# Allegro board BeagleBone_Green_v1.brd (continued)
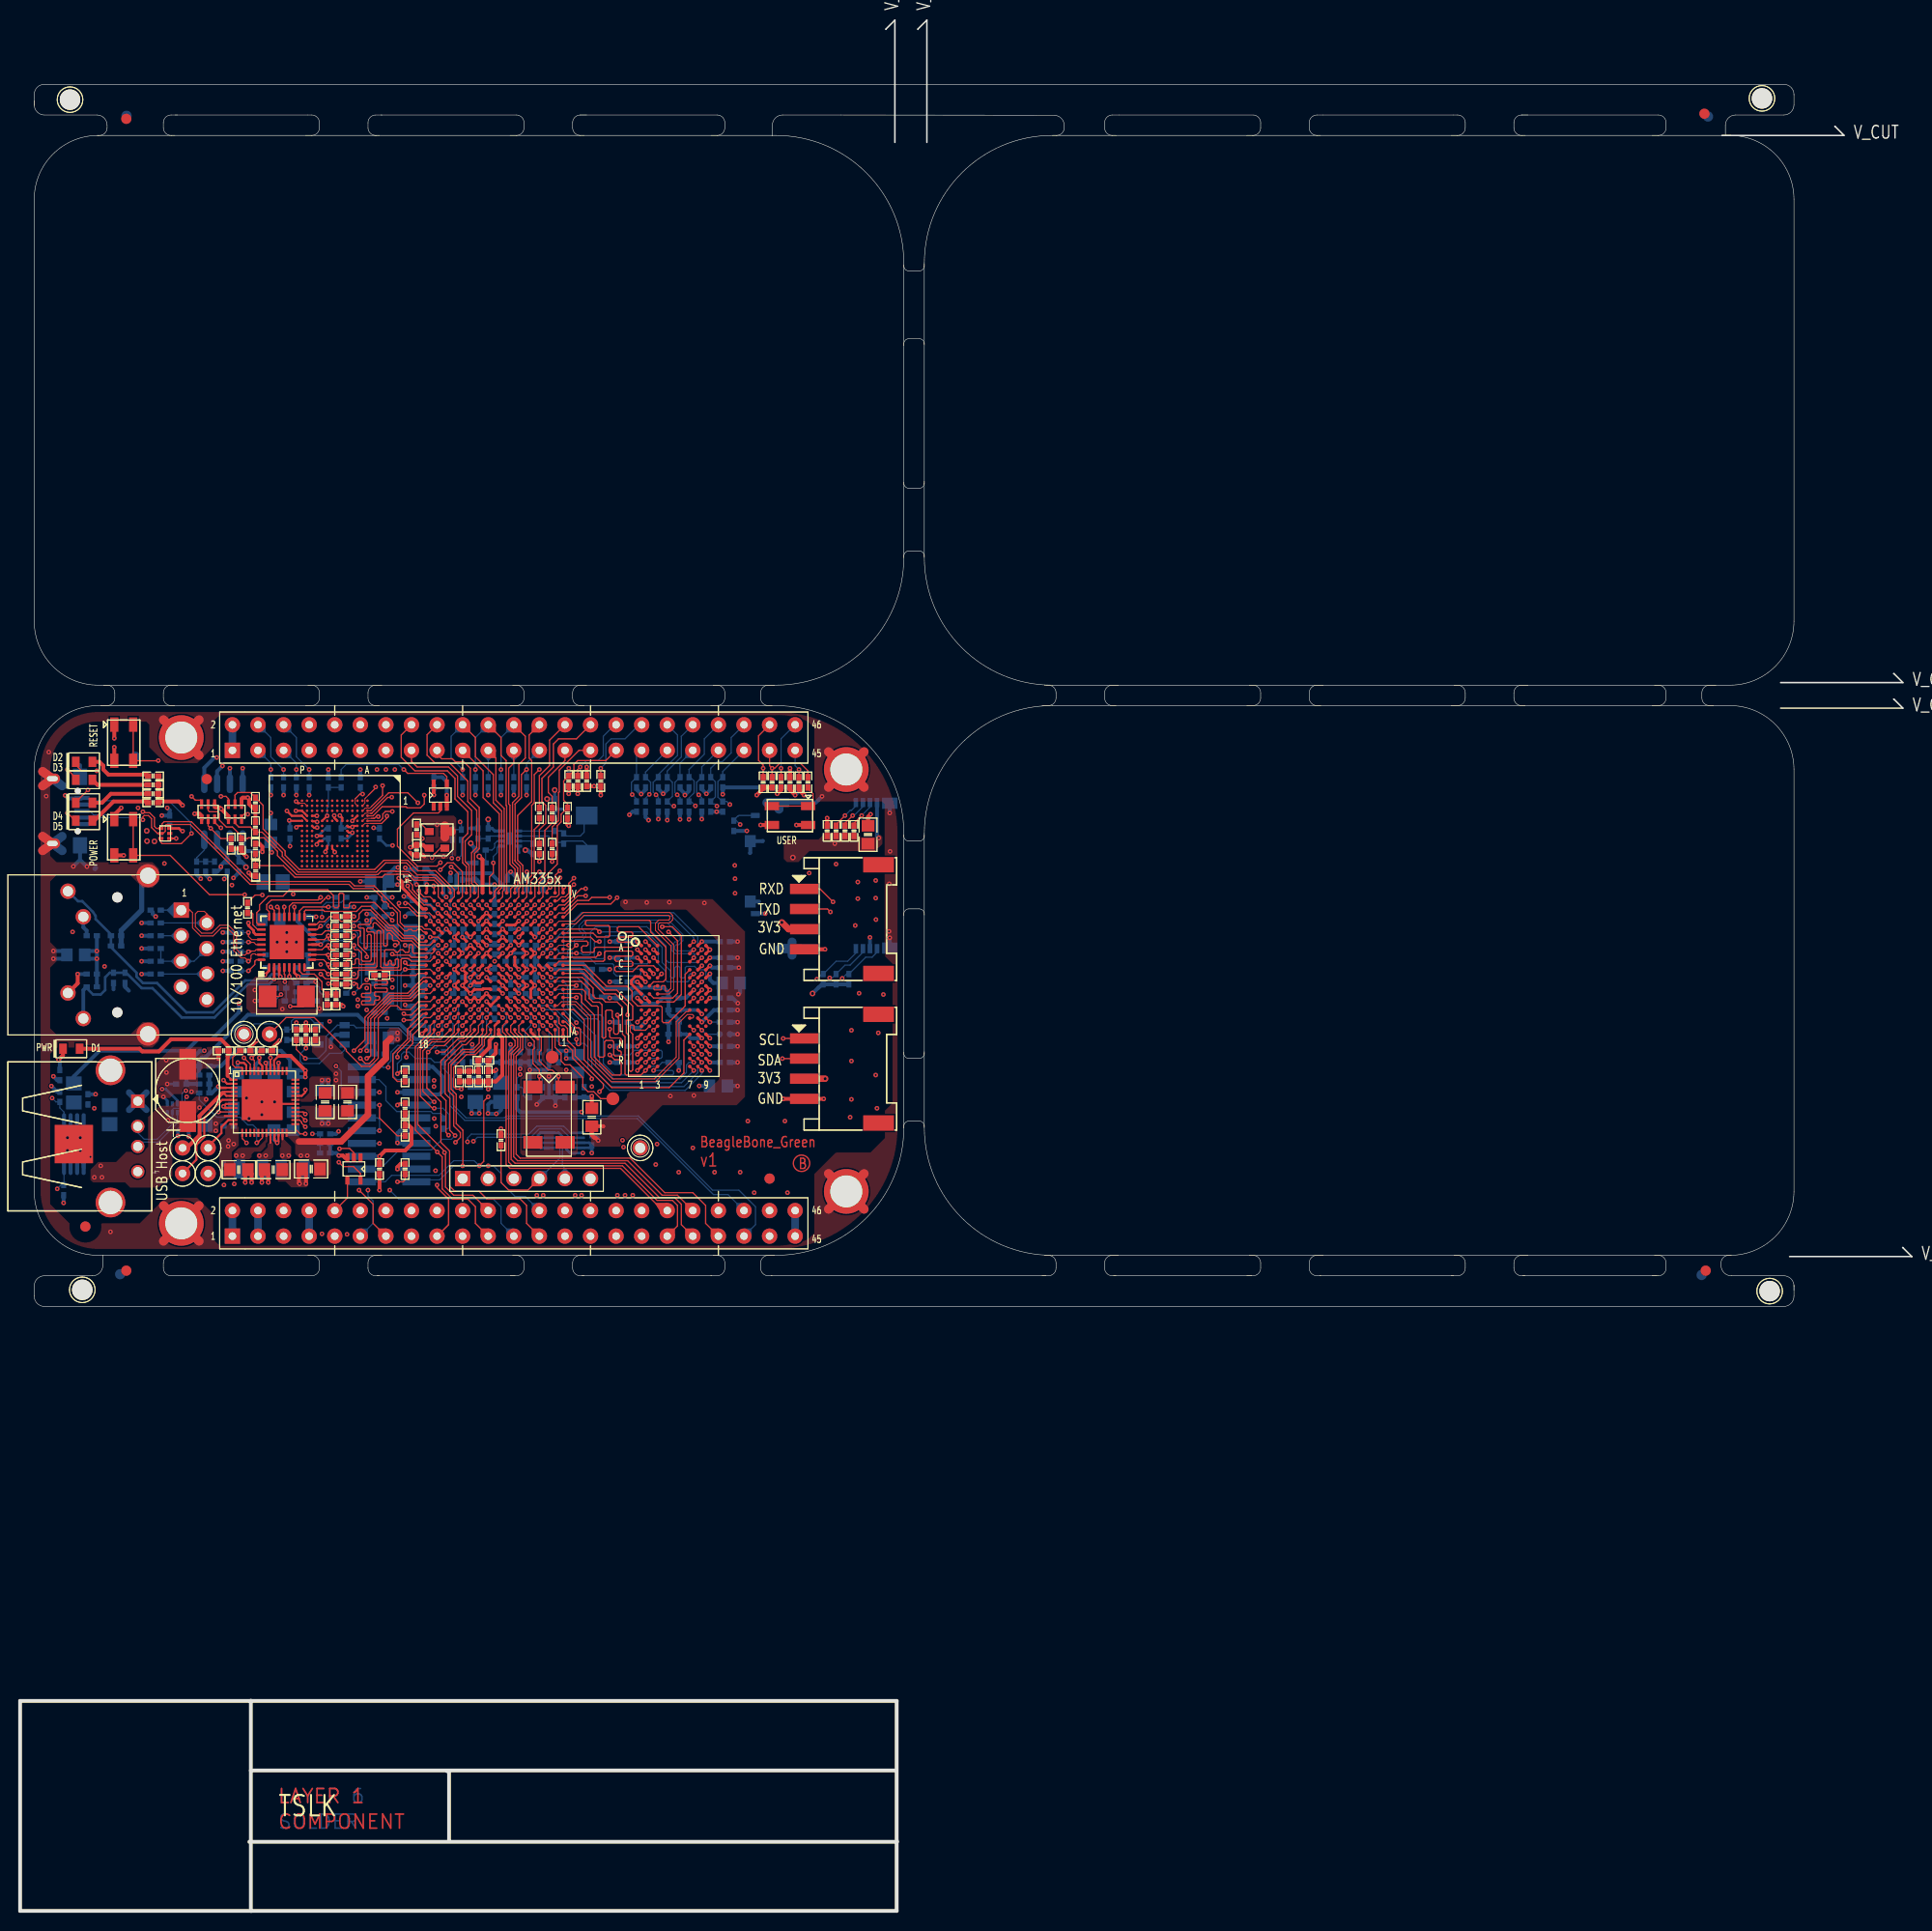
[diagram p0: board, top side]
## Routing (per net, layer and track width the routed paths; a pad name or vN(x,y) marks a point on that pad's centre or on a via; arc(x,y) is an arc through that point) (continued)
TIMER6: length 36.6
  TOP w0.121: v1(51.56,113.39) 51.05,112.88 51.05,110.08 50.8,109.83 50.8,102.84 50.32,102.36 50.32,100.74 U5.U6
  LYR4 w0.133: v1(51.56,113.39) 50.29,114.66 50.29,115.93 49.53,116.69 32.38,116.69 P8.10
TIMER7: length 34.1
  TOP w0.121: v1(49.52,99.94) U5.T7
  LYR3 w0.133: v1(49.52,99.94) 49.52,104.28 47.37,106.43 47.37,109.19 45.67,110.9 45.67,111.15 44.36,112.46 37.25,112.46 v1(36.32,113.39)
  LYR4 w0.133: P8.8 29.97,116.56 29.97,114.91 30.99,113.89 35.81,113.89 v1(36.32,113.39)
TXCLK: length 6.1
  TOP w0.121: U14.20 26.73,99.8 27.06,100.13 29.85,100.13 30,100.29 30.01,100.29 30.24,100.52 30.24,100.53 30.4,100.69 v1(30.61,100.69)
  BOTTOM w0.121: R134.2 v1(30.61,100.69)
TXN: length 20.3
  TOP w0.095: U14.28 22.99,96.49 22.67,96.81 v1(22.67,97.19)
  LYR3 w0.102: P5.6 18.54,94.21 18.29,94.47 17.55,94.47 17.3,94.21 17.3,92.79 18.11,91.97 19.61,91.97 21.21,93.57 21.21,95.21 22.28,96.28 22.28,96.8 v1(22.67,97.19)
  BOTTOM w0.095: R123.1 v1(22.67,97.19)
  BOTTOM w0.121: P5.6 C140.1
TXP: length 17.8
  TOP w0.095: v1(22.67,96.24) 22.67,96.22 22.68,96.21 23.21,96.21 23.43,95.99 U14.29
  LYR3 w0.102: P5.3 16.99,95.89 16.99,92.66 17.98,91.67 19.74,91.67 21.51,93.45 21.51,95.08 v1(22.67,96.24)
  BOTTOM w0.095: R122.1 v1(22.67,96.24)
  BOTTOM w0.121: C139.1 P5.3
U5_H18: length 4.2
  TOP w0.121: U5.H18 39.5,93.14 39.3,92.94 R28.1
U5_R13: length 8.5
  TOP w0.121: v1(43.92,99.14) U5.R13
  LYR3 w0.121: 44.11,101.79 44.32,101.58 44.32,99.54 v1(43.92,99.14)
  LYR3 w0.133: v1(43.49,104.52) 43.66,104.35 43.66,102.24 44.11,101.79
  BOTTOM w0.133: v1(43.49,104.52) 43.81,104.85 R160.1
U5_T13: length 7.5
  TOP w0.121: v1(43.92,99.94) U5.T13
  LYR3 w0.133: v1(42.88,104.57) 42.89,104.56 42.89,104.43 43.4,103.92 43.4,101.89 43.92,101.37 v1(43.92,99.94)
  BOTTOM w0.133: R161.1 42.93,104.62 v1(42.88,104.57)
UART0_RX: length 28.4
  TOP w0.121: v1(42.32,90.34) U5.E15
  LYR4 w0.133: v1(42.32,90.34) 41.9,89.92 41.36,89.92 40.85,89.4 40.85,86.84 42.09,85.6 42.09,80.49 42.8,79.78 42.8,78.66 v1(45.01,76.45)
  BOTTOM w0.121: v1(45.01,76.45) 45.4,76.85 50.71,76.85 51.56,77.7 53.72,77.7 54.62,76.8 U15.6
UART0_TX: length 28.7
  TOP w0.121: v1(41.52,90.34) U5.E16
  LYR4 w0.133: v1(41.52,90.34) 41.41,90.34 40.59,89.51 40.59,86.72 41.81,85.5 41.81,80.14 42.56,79.38 42.56,78.26 v1(44.42,76.4)
  BOTTOM w0.121: v1(44.42,76.4) 44.42,76.78 44.81,77.17 50.52,77.17 51.31,77.95 53.98,77.95 54.62,77.3 U15.5
UART1_RXD: length 25.6
  TOP w0.121: v1(41.53,89.51) 41.53,89.55 U5.D16
  LYR4 w0.121: v1(41.53,89.51) 41.92,89.12 41.92,86.96 42.11,86.77
  LYR4 w0.133: 42.11,86.77 42.9,85.98 42.9,80.75 43.61,80.04 43.61,79.17 45.97,76.81 45.97,74.52 v1(46.48,74.02)
  BOTTOM w0.121: P9.26 50.16,70.97 49.15,70.97 47.75,72.36 47.75,73.25 46.99,74.02 v1(46.48,74.02)
UART1_TXD: length 23.3
  TOP w0.121: v1(42.32,89.54) U5.D15
  LYR4 w0.121: v1(42.32,89.54) 42.72,89.14 42.72,88.49
  LYR4 w0.133: 42.72,88.49 42.73,88.48 42.73,86.53 43.14,86.13 43.14,80.92 43.92,80.14 43.92,79.19 46.28,76.83 46.28,75.11 47.52,73.86 47.52,71.07 P9.24
UART2_RXD: length 83.9
  TOP w0.121: U5.A17 41.12,87.32 39.49,85.69 39.49,78.11 42.13,75.47 v1(42.13,75.34) 42.24,75.23 42.24,71.91 43.05,71.09 44.96,71.09 P9.22 ; v1(80.72,100.24) 79.44,101.53 J5.1
  LYR3 w0.133: v1(42.13,75.34) 42.41,75.61 47.68,75.61 48.46,74.83 56,74.83 56.34,75.17 56.34,75.43 56.65,75.74 57.19,75.74 59.04,77.6 69.8,77.6 82.28,90.08 82.28,98.69 v1(80.72,100.24)
UART2_TXD: length 85.8
  TOP w0.121: U5.B17 40.72,87.94 40.72,87.3 39.24,85.83 39.24,77.57 v1(41.43,75.39) 41.91,74.9 41.91,71.73 42.93,70.71 44.45,70.71 45.21,69.95 45.21,68.3 P9.21 ; v1(80.47,99.24) 80.18,99.53 J5.2
  LYR3 w0.133: v1(41.43,75.39) 41.88,75.84 47.9,75.84 48.68,75.07 55.08,75.07 57.84,77.83 69.7,77.83 82.04,90.17 82.04,97.66 v1(80.47,99.24)
UART4_RXD: length 41.6
  TOP w0.121: v1(38.48,101.83) 38.61,101.7 38.61,101.47 38.91,101.17 38.91,101.12 40.1,99.94 40.72,99.94 U5.T17
  LYR4 w0.133: v1(34.54,71.6) 34.54,81.51 35.69,82.65 35.69,88.24 35.94,88.49 35.94,100.43 36.77,101.26 37.86,101.26 38.43,101.83 v1(38.48,101.83)
  BOTTOM w0.121: v1(34.54,71.6) 34.54,71.03 35.05,70.52 35.05,68.3 P9.11
UART4_TXD: length 44.2
  TOP w0.121: P9.13 35.05,68.3 35.05,70.21 v1(33.66,71.6) ; v1(39.6,101.35) 39.6,101.34 39.75,101.19 39.75,101.07 40.08,100.74 40.71,100.74 U5.U17
  LYR4 w0.121: v1(39.6,101.35) 39.59,101.35
  LYR4 w0.133: v1(33.66,71.6) 33.66,81.64 35.18,83.16 35.18,88.49 35.43,88.75 35.43,101.06 37.58,103.2 38.28,103.2 38.89,102.59 38.89,101.78 39.32,101.35 39.59,101.35
USB0_DM: length 42.2
  TOP w0.114: v1(12.19,108.39) 12.19,108.39 12.19,108.68 12.32,108.81 12.74,108.81 13.06,108.49 13.06,107.62 13.64,107.04 U10.2 14.2,107.04 14.41,107.25 14.41,107.81 14.53,107.92 16.89,107.92 22.83,101.98 32.65,101.98 33.08,101.55 35.04,101.55 35.92,100.67 35.92,100.41 36.09,100.23 36.35,100.23 36.58,100.01 36.58,99.8 36.75,99.62 36.97,99.62 37.46,99.12 37.46,98.07 38.18,97.36 38.43,97.36 38.58,97.51 38.84,97.51 38.99,97.36 39.32,97.36 39.47,97.51 39.79,97.51 40.05,97.25 40.2,97.25 U5.N18
  BOTTOM w0.114: v1(12.19,108.39) 11.97,108.61 P4.2
USB0_DP: length 42.2
  TOP w0.114: v1(12.19,109.19) 12.29,109.09 12.85,109.09 13.34,108.61 13.34,107.74 13.54,107.54 U10.1 14.1,107.66 14.1,108 14.3,108.2 17.01,108.2 22.95,102.26 32.77,102.26 33.2,101.83 35.15,101.83 37.74,99.24 37.74,98.19 38.15,97.78 39.91,97.78 40.16,97.53 40.72,97.53 U5.N17
  BOTTOM w0.114: v1(12.19,109.19) 12.19,109.14 11.94,108.89 7.29,108.89 6.92,109.26 P4.3
USB0_ID: length 48.7
  TOP w0.121: U10.3 13.98,106.15 14.1,106.02 16,106.02 v1(17.02,107.04) ; U5.P16 v1(41.52,98.34)
  LYR3 w0.133: v1(41.52,98.34) 41.89,98.71 41.89,100.15 41.65,100.39 41.54,100.39 41.31,100.62 39.54,100.62 38.89,101.27 38.89,103.96 38.02,104.83 36.91,104.83 36.25,105.49 32.56,105.49 31.7,106.35 27.76,106.35 27.15,106.95 17.1,106.95 v1(17.02,107.04)
  BOTTOM w0.121: P4.4 6.89,109.91 7.26,110.29 14.76,110.29 16.94,108.1 16.94,107.11 v1(17.02,107.04)
USB1_DM: length 54.2
  TOP w0.114: v1(37.62,100.1) 37.54,100.02 37.54,99.86 37.73,99.67 38.57,99.67 39.38,98.86 40.2,98.86 U5.R18
  LYR3 w0.127: v1(37.62,100.1) 37.62,100.25 37.36,100.51 37.36,100.91 36.91,101.37 36.02,101.37 34.7,102.69 25.12,102.69 23.47,101.04 23.47,93.04 22.66,92.23 22.66,89.31 19.66,86.31 18.39,86.31 15.39,83.31 15.39,81.55 15.82,81.13 16.18,81.13 16.46,81.41 v1(16.46,81.48)
  BOTTOM w0.114: v1(16.46,81.48) 16.36,81.48 16.08,81.21 16.08,79.9 15.91,79.73 15.27,79.73 15.11,79.58 U9.2 15.11,78.88 15.33,78.66 15.33,78.39 13.6,76.66 12.32,76.66 11.68,77.3 P3.2
USB1_DP: length 54.3
  TOP w0.114: v1(38.25,100.1) 38.53,100.1 39.5,99.14 40.64,99.14 41.04,98.74 U5.R17
  LYR3 w0.127: v1(16.54,80.87) 15.64,80.87 15.09,81.43 15.09,83.44 18.26,86.61 19.53,86.61 22.35,89.43 22.35,92.35 23.16,93.17 23.16,101.17 24.99,103 34.82,103 36.14,101.68 37.03,101.68 37.67,101.04 37.67,100.63 37.92,100.38 38.07,100.23 38.13,100.23 v1(38.25,100.1)
  BOTTOM w0.114: v1(16.54,80.87) 16.36,80.7 16.36,79.78 16.03,79.45 15.7,79.45 15.61,79.36 U9.1 15.61,78.27 13.72,76.38 12.12,76.38 P3.3
USB1_DRVVBUS: length 62.3
  TOP w0.121: U5.F15 v1(42.32,91.14)
  LYR3 w0.133: v1(3.68,71.73) 4.06,72.11 12.83,72.11 14.93,74.21 23.3,74.21 23.62,73.89 30.28,73.89 30.87,73.29 37.63,73.29 37.68,73.34 41.06,73.34 v1(41.25,73.53)
  LYR4 w0.121: v1(42.32,91.14) 41.69,91.14 40.33,89.77
  LYR4 w0.133: v1(41.25,73.53) 40.89,73.89 40.89,76.43 41.99,77.52 41.99,79.37 41.53,79.83 41.53,83.92 40.92,84.53 40.92,85.85 40.33,86.44 40.33,89.77
  BOTTOM w0.121: U8.4 4.36,72.15 R53.1 4.06,72.11 v1(3.68,71.73)
USB1_ID: length 1.9
  TOP w0.121: U5.P17 40.77,98.29 v1(40.72,98.34)
  BOTTOM w0.121: v1(40.72,98.34) 40.72,98.83 40.45,99.1 R49.2
USB1_OCN: length 65.1
  TOP w0.121: v1(41.48,99.98) 41.5,99.96 41.5,99.95 U5.T16
  LYR3 w0.121: 41.17,100.33 39.34,100.33 37.97,101.7 37.97,102.46 38.01,102.49 38.01,102.94
  LYR3 w0.133: v1(41.48,99.98) 41.48,100.02 41.17,100.33 ; 38.01,102.94 37.72,103.23 36.6,103.23 35.78,104.05 23.2,104.05 23.11,104.14 18.36,104.14 18.28,104.05 v1(14.33,104.05)
  LYR4 w0.133: v1(3.17,80.75) 3.33,80.59 9.02,80.59 14.66,86.23 14.66,103.72 v1(14.33,104.05)
  BOTTOM w0.121: v1(3.17,80.75) 3.56,80.37 R52.2 3.94,79.77 4.36,79.35 U8.5
USB1_PWR: length 9.8
  LYR3 w0.381: v1(14.1,81.64) 10.67,81.64 8.76,79.73 v1(7.37,79.73)
  BOTTOM w0.254: U9.6 15.61,80.5 14.48,81.64 v1(14.1,81.64)
USB1_VBUS: length 55.1
  TOP w0.305: v1(37.59,102.59) 37.97,102.21 37.97,101.63 38.57,101.03 38.57,100.95 39.99,99.54 U5.T18
  LYR3 w0.381: v1(37.59,102.59) 37.52,102.67 36.55,102.67 35.56,103.66 24.69,103.66 22.94,101.9 v1(21.03,101.9)
  LYR4 w0.381: v1(21.72,90.14) 22.1,90.53 22.1,99.54 21.03,100.61 v1(21.03,101.9)
  BOTTOM w0.381: v1(21.72,90.14) 21.72,89.26 19.05,86.59 17.65,86.59 16.51,85.45 7.87,85.45 5.33,82.91 FB8.1
USB_DC: length 26.5
  TOP w0.254: U10.6 15.78,107.54 16.05,107.26 v1(16.13,107.26)
  LYR3 w0.381: v1(38.25,103.63) 38.25,103.78 37.64,104.39 36.7,104.39 36.12,104.98 32.49,104.98 31.72,105.74 30,105.74 29.68,105.41 28.01,105.41 27.03,106.4 16.89,106.4 16.13,107.16 v1(16.13,107.26)
  BOTTOM w0.381: v1(38.25,103.63) 38.4,103.48 R159.1
  vias: v1(20.7,76.53) v1(20.65,75.95) v1(21.21,76.17) v2(12.57,107.29) v2(12.6,106.27) v2(13.34,106.25)
USR0: length 25.9
  TOP w0.121: Q1.2 21.34,108.05 21.72,107.67 22.86,107.67 R76.1 24.03,107.16 26.04,105.16 26.04,104.78 27.61,103.2 35.38,103.2 36.3,104.11 38.35,104.11 38.73,103.73 38.73,103.61 39.42,102.92 41.27,102.92 42.72,101.48 U5.V15
USR1: length 30.5
  TOP w0.121: U5.U15 43.12,100.74 43.12,101.46 41.25,103.33 39.52,103.33 38.48,104.37 36.12,104.37 35.2,103.45 27.74,103.45 26.31,104.88 26.31,105.28 24.13,107.47 24.13,109.83 R77.1 22.86,111.1 21.59,111.1 21.34,110.85 Q1.5
USR2: length 31.6
  TOP w0.121: v1(42.3,99.94) 42.31,99.94 U5.T15 ; Q2.2 18.67,107.8 v1(18.92,107.54) 19.94,106.53 R78.1
  LYR3 w0.133: v1(18.92,107.54) 19.28,107.19 29.29,107.19 29.3,107.19 29.63,107.19 29.64,107.19 31.29,107.19 32.72,105.77 36.37,105.77 36.93,105.21 38.02,105.21 39.22,104.01 39.22,102.79 39.8,102.21 39.8,101.9 40.79,100.92 41.48,100.92 42.3,100.1 v1(42.3,99.94)
USR3: length 28.8
  TOP w0.121: U5.V16 41.92,101.93 41.2,102.64 39.2,102.64 38.61,103.23 38.09,103.23 38.06,103.26 37.35,103.26 37.32,103.29 35.85,103.29 35.51,102.95 27.44,102.95 25.55,104.84 25.55,105.26 24.21,106.6 22.66,106.6 22.58,106.53 R79.1 21.97,106.78 21.08,107.67 20.47,107.67 19.79,108.36 19.79,108.99 19.58,109.19 18.8,109.19 18.67,109.32 Q2.5
VDCDC1:
  vias: v1(21.46,75.03) v1(22.1,75.03)
VIO: length 22.4
  TOP w0.121: U2.18 24.06,76.8 23.56,76.3 v1(23.49,76.3) ; v1(31.65,74.37) 32.08,73.94 33.11,73.94 33.8,73.25 U16.5
  LYR3 w0.133: v1(23.49,76.3) 24.38,76.3 25.15,75.54 30.28,75.54 31.45,74.37 v1(31.65,74.37)
  BOTTOM w0.121: v1(23.49,76.3) 23.49,77.7 23.11,78.08 22.61,78.08 21.84,78.84 19.53,78.84 17.78,80.59 R7.2
VLDO1: length 4.5
  TOP w0.203: 20.45,81.77 U2.3
  TOP w0.254: v1(19.68,81.89) 19.81,81.77 20.45,81.77
  BOTTOM w0.381: v1(19.68,81.89) 19.05,81.25 18.8,81.25 18.8,83.03
VREFP_ADC: length 7.7
  TOP w0.121: 47.12,87.94 47.12,86.97 46.99,86.84
  TOP w0.254: 47.12,87.94 U5.B9
  TOP w0.305: 46.69,86.54 46.99,86.84
  TOP w0.381: 46.69,86.54 46.61,86.46 46.61,85.77 45.5,84.66 R27.2 45.5,83.45 C33.1 C31.1 C32.1
VRTC: length 42.4
  TOP w0.254: v1(49.52,89.54) U5.D7
  LYR3 w0.381: v1(18.29,85.45) 21.97,85.45 22.35,85.83 26.92,85.83 28.7,87.6 34.54,87.6 36.57,85.58 38.83,85.58 38.84,85.57 38.99,85.57 39.77,84.79 47.48,84.79 48.7,86.02 v1(48.7,86.08)
  BOTTOM w0.178: R26.1 51.21,84.3 51.09,84.43 51.09,85.79 50.8,86.08 v1(50.61,86.08)
  BOTTOM w0.381: v1(18.29,85.45) 17.86,85.45 16.51,84.1 C16.1 R5.2 ; C105.1 v1(48.7,86.08)
WAKEUP: length 63.4
  TOP w0.121: U2.13 22.06,76.72 22.48,76.3 v1(22.48,76.3) ; U5.C5 v1(51.12,88.73)
  LYR3 w0.133: v1(59.82,76.56) 57.38,74.12 48.03,74.12 47.37,74.78 43.1,74.78 42.75,74.42 35.84,74.42 35.23,73.81 31.24,73.81 30.53,74.52 25.53,74.52 24.26,75.79 22.98,75.79 v1(22.48,76.3)
  LYR4 w0.133: v1(59.82,76.56) 59.82,81.64 56.39,85.06 56.13,85.06 54.86,86.33 52.01,86.33 50.67,87.67 50.67,88.29 v1(51.12,88.73)
  BOTTOM w0.121: v1(51.12,88.73) 51.52,88.33 51.52,87.67 51.56,87.62 R26.2
WP: length 9.2
  BOTTOM w0.121: U7.5 29.48,87.99 28.83,88.64 27.2,88.64 26.95,88.39 26.95,87.67 26.82,87.54 R156.2 26.04,87.54 25.47,88.11 23.24,88.11 TP4.1
XDMA_EVENT_INTR0: length 10.7
  BOTTOM w0.121: R18.2 42.04,78.97 41.78,79.22 40.97,79.22 40.78,79.41 37.4,79.41 36.32,80.49 36.32,81.89 35.62,82.59 P2.17
YEL_C: length 3.2
  TOP w0.381: P5.11 5.71,92.15 v1(5.71,93.07)
  BOTTOM w0.381: R130.2 v1(5.71,93.07)
YELA: length 28.5
  TOP w0.254: U14.2 v1(25.23,92.56)
  BOTTOM w0.254: v1(25.23,92.56) 24.72,92.05 22.61,92.05 19.3,88.75 16.05,88.75 13.13,91.67 12.06,91.67 10.54,93.19 C164.1 C166.1 8.89,93.19 8.45,92.75 8.45,91.48 8,91.03 7.24,91.03 6.6,91.67 R135.1
  BOTTOM w0.381: P5.12 6.27,91.47 R135.1
ZQ: length 2.5
  TOP w0.121: v1(67.7,87.49) U12.L8
  BOTTOM w0.121: R99.2 68.1,87.09 v1(67.7,87.49)
N21757673: length 4.3
  BOTTOM w0.121: R11.2 C19.1 R10.1 17.53,104.62 18.29,105.38 U4.4
N21769115: length 5.9
  TOP w0.121: S2.3 S2.1 78.74,110.24 78.74,110.97 78.23,111.48 R75.2
N22155575: length 7
  TOP w0.121: v1(42.32,98.34) U5.P15
  LYR3 w0.133: v1(42.32,100.71) 42.32,100.66 42.71,100.27 42.71,98.73 v1(42.32,98.34)
  BOTTOM w0.381: R159.2 40.49,103.48 42.04,101.93 42.04,100.99 v1(42.32,100.71)
N22248684: length 1.5
  TOP w0.121: R167.1 39.88,107.92 40.58,107.23 Y4.3
N22287501: length 12.7
  TOP w0.121: v1(38.1,113.39) 38.48,113 42.04,113 42.37,112.67 U3.4
  BOTTOM w0.121: v1(38.1,113.39) 37.59,113.89 32.38,113.89 31.88,113.39 R162.1
N22287555: length 18.9
  TOP w0.121: v1(41.73,104.14) 41.38,103.78 39.45,103.78 37.46,105.77 37.46,107.47 39.07,109.07 41.53,109.07 41.72,109.26 U3.2 ; v1(43.12,99.14) U5.R14
  LYR3 w0.121: 43.52,100.81 43.52,99.54 v1(43.12,99.14)
  LYR3 w0.133: 43.52,100.81 43.52,101.21 42.24,102.49 42.24,103.63 v1(41.73,104.14)
N22420400: length 9.6
  TOP w0.203: U2.4 20.3,81.37 20.19,81.25 20.48,80.97 U2.5
  TOP w0.381: TP5.1 16.56,75.79 17.81,77.05 17.81,78.98 20.09,81.25 20.19,81.25
N22420444: length 10.1
  TOP w0.203: TP6.1 17.5,74.63 17.5,76.1 18.29,76.89 18.29,78.79 20.06,80.57 U2.6
N22420447: length 4.1
  TOP w0.203: TP7.1 18.67,75.95 19.99,77.27 19.99,77.88 20.68,78.57 U2.11
N22488252: length 24.6
  TOP w0.121: TP9.1 26.42,88.75 29.21,88.75 32.38,85.57 32.38,85.42 33.91,83.9 34.75,83.9 35.56,84.71 35.56,88.68 36.79,89.91 37.45,89.91 37.83,89.53 38.75,89.53 39.56,90.34 40.72,90.34 U5.E17
N22648410: length 8.6
  BOTTOM w0.121: U17.1 53.07,107.28 C25.1 53.72,107.29 R17.1 54.23,106.78 55.63,106.78 56.01,107.16 56.01,108.55 Y2.2
N22648422: length 8.2
  BOTTOM w0.121: U17.2 52.46,106.78 C26.1 53.85,106.15 R17.2 54.23,106.27 55.88,106.27 56.26,105.89 Y2.1
N22649826: length 1.5
  BOTTOM w0.121: R171.2 50.67,106.28 U17.3
N22650321: length 3.4
  BOTTOM w0.121: R174.1 R172.2 46.86,105.38 47.12,105.64 47.12,106.02 47.38,106.28 U17.6
N22650344: length 2.4
  BOTTOM w0.121: U17.7 46.73,106.78 R175.2 R173.1
N22650388: length 5.3
  TOP w0.121: U5.V10 46.61,101.24 46.61,102.72 46.99,103.1 v1(46.99,104.11)
  BOTTOM w0.121: U17.5 47.51,105.78 47.37,105.64 47.37,105.13 46.99,104.75 v1(46.99,104.11)

## Copper pours and planes (outline as drawn; the poured copper is in the pictures)
DGND on TOP (solid shape): 7.24,74.27 3.43,74.27 3.43,78.08 7.24,78.08
DGND on TOP: 29.16,86.97 30.35,86.97 32.13,85.19 32.13,84.81 33.66,83.29 33.66,80.9 33.4,80.65 29.87,80.65 29.69,80.82 29.69,81.76 29.79,81.86 30.78,81.86 31.06,82.14 31.06,83.24 28.98,85.32 28.98,86.79
DGND on TOP: 59.79,100.51 68.76,100.51 71.98,97.28 71.98,80.87 71.15,80.04 63.78,80.04 59.66,75.92 57.02,75.92 56.69,76.25 56.69,76.84 56.9,77.04 57.38,77.04 57.61,77.27 57.61,78.69 57.73,78.82 58.27,78.82 60.25,80.8 60.25,81.1 60.53,81.38 68.17,81.38 69.39,82.6 69.39,96.22 66.14,99.47 60.99,99.47 60.88,99.36 60.07,99.36 59.59,99.85 59.59,100.3
DGND on TOP: 25.45,74.32 28.5,74.32 28.6,74.22 28.6,72.06 28.42,71.88 26.92,71.88 26.37,72.44 25.68,72.44 25.3,72.82 25.3,74.17
DGND on TOP: 15.11,85.83 19.81,85.83 19.94,85.7 19.94,84.3 19.3,83.67 18.16,83.67 17.65,83.16 17.65,81.38 17.4,81.13 15.24,81.13 14.86,80.75 13.59,80.75 13.46,80.87 13.46,84.18
DGND on TOP: 23.37,92.81 29.34,92.81 30.23,91.92 30.23,89.51 29.84,89.13 22.99,89.13 22.48,89.64 22.48,91.92
DGND on TOP: 43.05,108.81 43.31,108.56 43.31,104.75 43.05,104.5 41.4,104.5 41.02,104.11 39.37,104.11 38.1,105.38 38.1,107.8 39.12,108.81
DGND on BOTTOM: 28.57,92.68 29.84,92.68 30.35,92.18 30.35,89.76 29.84,89.26 23.75,89.26 22.86,90.14 22.86,91.41 23.24,91.8 27.69,91.8 27.83,91.94 27.83,92.37 28.09,92.63 28.52,92.63
DGND on BOTTOM: 42.67,95.61 42.8,95.73 42.8,96.11 43.31,96.11 43.31,95.73 43.56,95.48 43.56,94.84 43.31,94.59 43.31,94.21 42.67,94.21
DGND on BOTTOM: 34.16,94.36 34.47,94.36 34.75,94.64 34.75,95.2 34.82,95.28 35.43,95.28 35.51,95.2 35.51,89.15 35.18,88.82 34.42,88.82 34.04,89.2 34.04,91.49 34.14,91.59 34.14,94.34
DGND on BOTTOM: 53.64,102.08 68.12,102.08 71.45,98.76 71.45,96.37 73,94.82 73,78.77 72.42,78.18 63.63,78.18 61.59,80.21 58.27,80.21 57,81.48 53.92,81.48 53.16,82.25 53.16,84.58 53.77,84.58 54.1,84.25 55.55,84.25 58.62,81.18 69.14,81.18 69.65,81.69 69.65,82.85 69.55,82.96 69.55,83.34 70.03,83.82 70.03,90.91 70,90.93 70.51,91.44 70.69,91.44 70.69,92.91 70.05,93.55 70.05,96.19 70.13,96.27 70.13,96.65 69.27,97.51 67.26,97.51 65.35,99.42 54.41,99.42 53.29,100.53 53.29,101.73
DGND on BOTTOM: 20.95,81.19 20.95,80.87 21.29,80.54 22.05,80.54 22.35,80.24 22.35,78.51 22.48,78.38 22.48,78.33 23.94,78.33 24.51,78.91 25.53,78.91 25.78,79.16 25.78,79.79 26.54,79.79 26.54,79.54 26.8,79.29 27.43,79.29 27.69,79.54 27.69,81.71 27.48,81.92 26.7,81.92 26.54,81.76 26.54,80.94 25.78,80.94 25.78,81.69 25.58,81.89 24.87,81.89 24.64,81.66 24.64,80.94 23.88,80.94 23.88,81.66 23.67,81.86 22.86,81.86 22.73,81.74 22.73,80.94 21.97,80.94 21.97,81.58 21.77,81.79 21.03,81.79 20.95,81.71 20.95,81.56 20.96,81.55 20.96,81.2
DGND on BOTTOM: 25.25,99.14 26.04,99.14 27.91,97.26 27.91,93.52 27.76,93.37 25.17,93.37 25.04,93.5 25.04,98.93
DGND on LYR2_GND: 11.56,68.62 14.1,71.16 17.91,71.16 19.49,69.57 19.49,67.03 20.13,66.4 75.37,66.4 76.66,66.63 77.91,67.03 78.55,67.67 78.55,73.38 80.1,74.93 84.35,74.93 85.53,76.11 85.53,85.13 86.03,85.62 86.03,95.75 85.53,96.24 85.53,109.26 84.9,109.89 78.87,109.89 78.55,110.21 78.55,117.2 77.91,117.83 76.53,118.35 75.06,118.47 20.13,118.47 19.49,117.83 19.49,115.29 17.91,113.7 14.1,113.7 12.51,115.29 12.51,117.51 12.19,117.83 7.75,117.83 4.6,116.53 3.3,113.39 3.3,105.13 3.94,104.5 13.46,104.5 14.1,103.86 14.1,101.96 13.46,101.32 11.87,101.32 10.6,102.59 3.94,102.59 3.3,101.96 3.3,96.56 3.94,95.92 3.94,94.02 3.3,93.38 3.3,87.99 3.94,87.35 10.6,87.35 11.87,88.62 13.46,88.62 14.1,87.99 14.1,86.08 13.46,85.45 3.94,85.45 3.05,84.56 3.05,74.27 3.3,74.02 3.3,70.52 5.21,68.62